# Altium PCB AVALON_hashunit.PcbDoc (part 1 of 5) (continued)
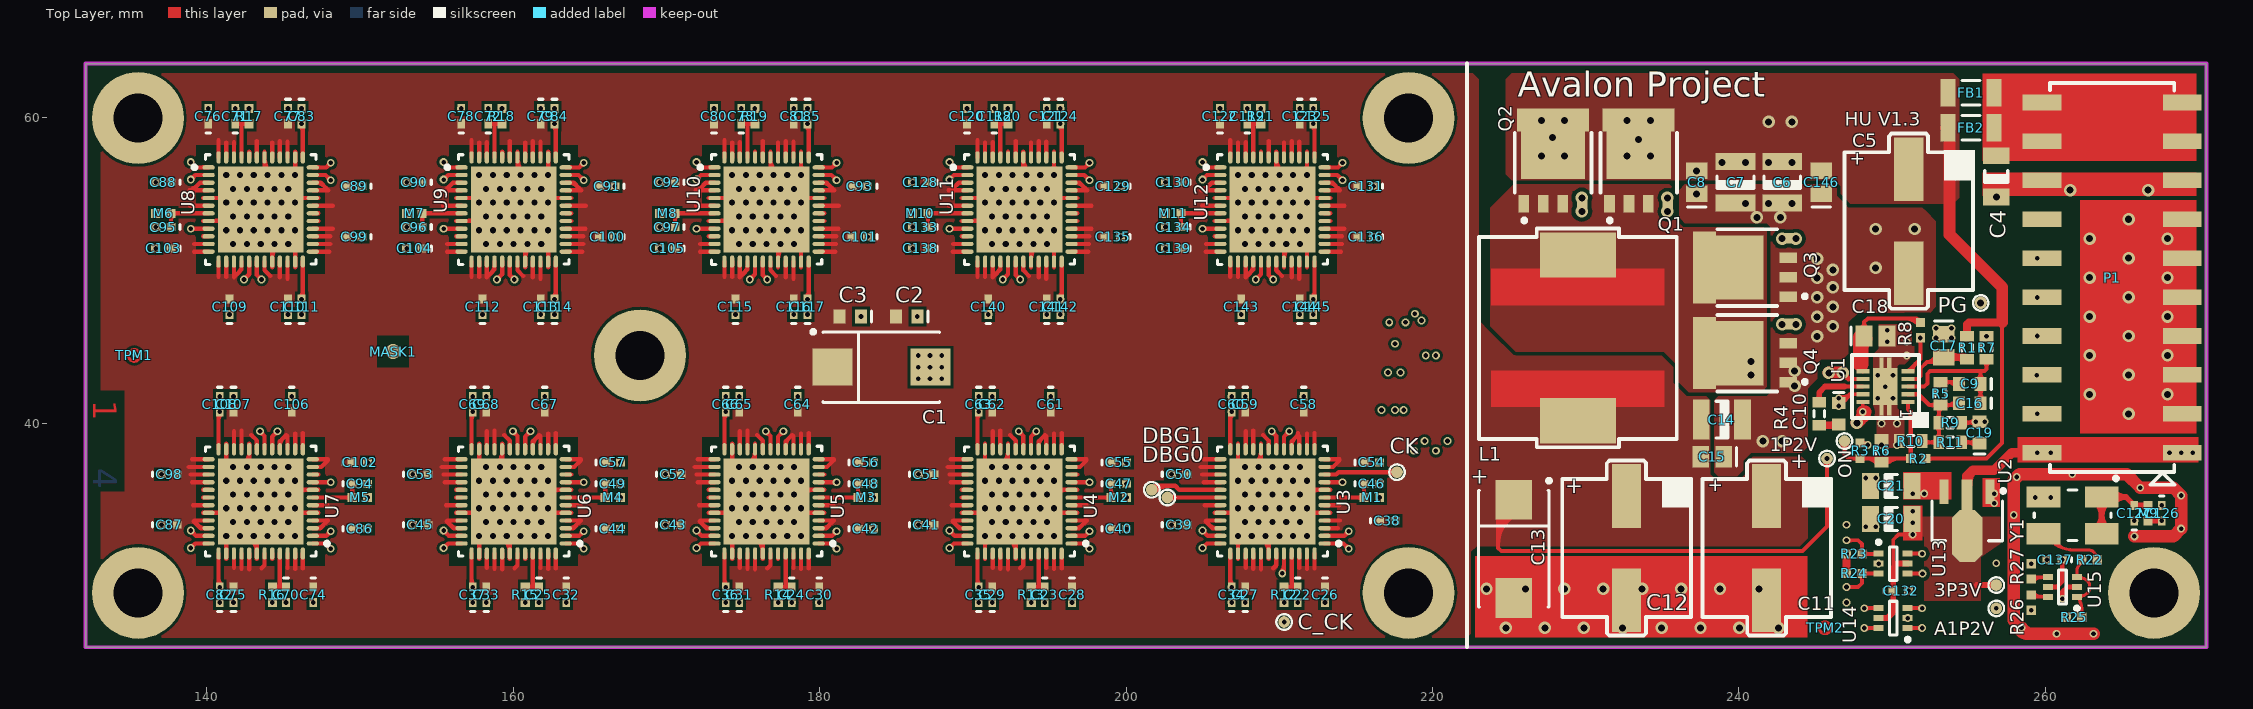
[diagram p0: Top Layer view]
## Components (designator, comment, footprint, x,y, rotation, side; value= is the part's Value field where it differs from the comment) (continued)
C139 "0.47uF" CAPC1005L 203.073,51.435 r180 top
C140 "0.47uF" CAPC1005L 191.008,47.625 r90 top
C141 "0.47uF" CAPC1005L 194.818,47.625 r90 top
C142 "0.47uF" CAPC1005L 195.707,47.625 r90 top
C143 "0.47uF" CAPC1005L 207.518,47.625 r90 top
C144 "0.47uF" CAPC1005L 211.328,47.625 r90 top
C145 "0.47uF" CAPC1005L 212.217,47.625 r90 top
C146 "4.7uF/16V" CAPC2012L 245.364,55.753 r90 top
C_CK "TP" TP 210.312,27.051 r90 top
CK "TP" TP 217.678,36.83 r0 top
DBG0 "TP" TP 202.692,35.179 r0 top
DBG1 "TP" TP 201.676,35.687 r90 top
FB1 "MB" INDC3216L 255.143,61.595 r0 top
FB2 "MB" INDC3216L 255.143,59.309 r0 top
L1 "IHLP5050FDER" IHLP5050 229.489,45.593 r270 top
M1 "MB" RESC1005L 216.027,35.179 r0 top
M2 "MB" RESC1005L 199.517,35.179 r0 top
M3 "MB" RESC1005L 183.007,35.179 r0 top
M4 "MB" RESC1005L 166.497,35.179 r0 top
M5 "MB" RESC1005L 149.987,35.179 r0 top
M6 "MB" RESC1005L 137.156,53.721 r180 top
M7 "MB" RESC1005L 153.543,53.721 r180 top
M8 "MB" RESC1005L 170.053,53.721 r180 top
M9 "MB" RESC1005L 266.7,34.163 r270 top
M10 "MB" RESC1005L 186.563,53.721 r180 top
M11 "MB" RESC1005L 203.073,53.721 r180 top
MASK1 "Socket" MASK_LT 152.146,44.704 r90 top
ON "TP" TP 246.888,38.862 r90 top
P1 "Header 10X2" 20PINSMT 264.36,49.53 r90 top locked
PG "TP" TP 255.778,47.879 r0 top
Q1 "PSMN2R2-25YLC" LFPAK 233.426,57.15 r90 top
Q2 "NC" LFPAK 227.838,57.15 r90 top
Q3 "CSD16403Q5A" LFPAK 240.411,50.165 r180 top
Q4 "CSD16403Q5A" LFPAK 240.411,44.577 r180 top
R1 "0R" RESC1608L 254.889,44.958 r90 top
R2 "NC" RESC1005L 251.714,37.719 r0 top
R3 "1K" RESC1005L 247.904,38.227 r90 top
R4 "0R" RESC1608L 245.237,40.64 r90 top
R5 "6.81K" RESC1608L 253.16,41.959 r90 top
R6 "10K" RESC1608L 249.301,38.227 r270 top
R7 "3.9K" RESC1608L 256.159,44.958 r270 top
R8 "100K" RESC1005L 251.841,46.101 r90 top
R9 "10K" RESC1608L 253.795,40.054 r180 top
R10 "10.5K" RESC1608L 251.206,38.862 r0 top
R11 "909R" RESC1608L 253.795,38.784 r180 top
R12 "100K" RESC1005L 210.312,28.829 r270 top
R13 "100K" RESC1005L 193.802,28.829 r270 top
R14 "100K" RESC1005L 177.292,28.829 r270 top
R15 "100K" RESC1005L 160.782,28.829 r270 top
R16 "100K" RESC1005L 144.272,28.829 r270 top
R17 "100K" RESC1005L 142.748,60.071 r90 top
R18 "100K" RESC1005L 159.258,60.071 r90 top
R19 "100K" RESC1005L 175.768,60.071 r90 top
R20 "100K" RESC1005L 192.278,60.071 r90 top
R21 "100K" RESC1005L 208.788,60.071 r90 top
R22 "0R" RESC1005L 262.89,31.115 r0 top
R23 "470R" RESC1005L 247.523,31.496 r180 top
R24 "470R" RESC1005L 247.523,30.226 r180 top
R25 "NC" RESC1005L 261.874,27.356 r180 top
R26 "0R" RESC1005L 259.08,28.321 r90 top
R27 "0R" RESC1005L 259.08,30.353 r270 top
TPM1 "MASKTEST" MASKTEST 135.255,44.45 r90 top
TPM2 "MASKTEST" MASKTEST 245.618,26.67 r90 top
U1 "TPS40193" SON10 249.555,42.418 r180 top locked
U2 "RT9166A_CXL" SOT-89_M 254.889,33.655 r270 top
U3 "Avalon1" QFN48NT7A 209.55,34.925 r180 top
U4 "Avalon1" QFN48NT7A 193.04,34.925 r180 top
U5 "Avalon1" QFN48NT7A 176.53,34.925 r180 top
U6 "Avalon1" QFN48NT7A 160.02,34.925 r180 top
U7 "Avalon1" QFN48NT7A 143.51,34.925 r180 top
U8 "Avalon1" QFN48NT7A 143.51,53.975 r0 top
U9 "Avalon1" QFN48NT7A 160.02,53.975 r0 top
U10 "Avalon1" QFN48NT7A 176.53,53.975 r0 top
U11 "Avalon1" QFN48NT7A 193.04,53.975 r0 top
U12 "Avalon1" QFN48NT7A 209.55,53.975 r0 top
U13 "74LVC2G34" SOT363_L 250.063,30.861 r0 top
U14 "74LVC2G34" SOT363_L 250.063,27.305 r180 top
U15 "74LVC2G34" SOT363_L 261.112,29.337 r180 top
Y1 "XTAL_32M" SMX2 261.747,34.036 r180 top

## Footprints (in the part's own frame and the unit in brackets; to place one, negate y for a bottom-side part, rotate by r counter-clockwise, add the part's x,y. Pads: shape width x height; smd on the part's side, far side on the other; paste and mask are expansions set on the pad)
20PINSMT [mm]
  rect 1.02x2.534 smd: 1(-11.43,-4.573) 2(-11.43,4.573) 3(-8.89,-4.573) 4(-8.89,4.573) 5(-6.35,-4.573) 6(-6.35,4.573) 7(-3.81,-4.573) 8(-3.81,4.573) 9(-1.27,-4.573) 10(-1.27,4.573) 11(1.27,-4.573) 12(1.27,4.573) 13(3.81,-4.573) 14(3.81,4.573) 15(6.35,-4.573) 16(6.35,4.573) 17(8.89,-4.573) 18(8.89,4.573) 19(11.43,-4.573) 20(11.43,4.573)
  silkscreen extent -13.52,-4.08 12.7,4.05, body extent -12.55,-3.89 12.52,3.91, height 6.1
CAPC1005L [mm] "Chip Capacitor, Body 1.0x0.5mm, IPC High Density"
  rect 0.6x0.5 smd: 1(-0.5,0) 2(0.5,0)
  silkscreen extent -1.1,-0.15 -1.1,0.15, body extent -0.55,-0.3 0.55,0.3, height 0.6
CAPC1608L [mm] "Chip Capacitor, Body 1.6x0.8mm, IPC High Density"
  rect 0.8x0.9 smd: 1(-0.7,0) 2(0.7,0)
  silkscreen extent -1.4,-0.35 -1.4,0.35, body extent -0.87,-0.48 0.87,0.48, height 0.85
CAPC2012L [mm] "Chip Capacitor, Body 2.0x1.3mm, IPC High Density"
  rect 1.1x1.4 smd: 1(-0.75,0) 2(0.75,0)
  silkscreen extent -1.6,-0.6 -1.6,0.6, body extent -1.1,-0.72 1.1,0.72, height 1.1
CAPC3216L [mm] "Chip Capacitor, Body 3.2x1.6mm, IPC High Density"
  rect 1.1x1.7 smd: 1(-1.35,0) 2(1.35,0)
  silkscreen extent -0.4,-0.75 0.4,0.75, body extent -1.7,-0.9 1.7,0.9, height 1.35
CAPC3225L [mm] "Chip Capacitor, Body 3.2x2.5mm, IPC High Density"
  rect 1.1x2.6 smd: 1(-1.35,0) 2(1.35,0)
  silkscreen extent -0.4,-1.2 0.4,1.2, body extent -1.7,-1.35 1.7,1.35, height 1.35
D [mm] "Capacitor, SM Tantalum; Body 7.3 x 4.3 mm (LxW typ)"
  rect 2.6x2.4 smd: 1(-3.2,0) 2(3.2,0)
  silkscreen extent -4.57,-2.3 3.8,2.42
E12 [mm] "SVPC"
  rect 1.9x4.15 smd: 1(0,-3.4) 2(0,3.4)
  silkscreen extent -4.31,-5.71 4.2,5.71, body extent -3.98,-3.99 4,3.99, height 12.8
IHLP5050 [mm]
  rect 2.945x4.95 smd: 1(-5.407,0) 2(5.407,0)
  Top Layer region: -4.521,-5.664 -2.134,-5.664 -2.134,5.664 -4.521,5.664
  Top Layer region: 2.134,-5.664 4.521,-5.664 4.521,5.664 2.134,5.664
  silkscreen extent -7.14,-6.45 7.14,6.45, body extent -6.6,-6.45 6.6,6.45, height 6.5
INDC3216L [mm] "Chip Inductor, Body 3.2x1.6mm, IPC High Density"
  rect 1x1.8 smd: 1(-1.5,0) 2(1.5,0)
  silkscreen extent -0.6,-0.8 0.6,0.8, body extent -1.75,-0.95 1.75,0.95, height 1.9
LFPAK [mm]
  rect 1.15x0.7 smd: 1(-2.801,1.88) 2(-2.801,0.61) 3(-2.801,-0.66) 4(-2.801,-1.93)
  rect 3.1x4.2 smd: 5(0.374,-0.025)
  rect 1.5x4.7 smd: 5(2.674,-0.025)
  silkscreen extent -4.01,-2.53 1.82,2.47, body extent -3.38,-2.53 3.43,2.47, height 0.8
MASK_LT [mm]
  round 1 smd: 0(0,0)
  Top Layer pour cut-out: -1.016,1.016 1.016,1.016 1.016,-1.016 -1.016,-1.016
MASKTEST [mil]
  round 10 smd paste+0 mask+3: 0(0,0)
  Top Layer circle w8: c0,0 r15
QFN48NT7A [mm] "QFN, 48-Leads, Body 7x7mm, Pitch 0.5mm, IPC Medium Density"
  oval 0.8x0.28 smd paste+0.051 mask+0.075: 1(-3.399,2.75) 2(-3.399,2.25) 3(-3.399,1.75) 4(-3.399,1.25) 5(-3.399,0.75) 6(-3.399,0.25) 7(-3.399,-0.25) 8(-3.399,-0.75) 9(-3.399,-1.25) 10(-3.399,-1.75) 11(-3.399,-2.25) 12(-3.399,-2.75) 25(3.399,-2.75) 26(3.399,-2.25) 27(3.399,-1.75) 28(3.399,-1.25) 29(3.399,-0.75) 30(3.399,-0.25) 31(3.399,0.25) 32(3.399,0.75) 33(3.399,1.25) 34(3.399,1.75) 35(3.399,2.25) 36(3.399,2.75)
  oval 0.28x0.8 smd paste+0.051 mask+0.075: 13(-2.75,-3.399) 14(-2.25,-3.399) 15(-1.75,-3.399) 16(-1.25,-3.399) 17(-0.75,-3.399) 18(-0.25,-3.399) 19(0.25,-3.399) 20(0.75,-3.399) 21(1.25,-3.399) 22(1.75,-3.399) 23(2.25,-3.399) 24(2.75,-3.399) 37(2.75,3.399) 38(2.25,3.399) 39(1.75,3.399) 40(1.25,3.399) 41(0.75,3.399) 42(0.25,3.399) 43(-0.25,3.399) 44(-0.75,3.399) 45(-1.25,3.399) 46(-1.75,3.399) 47(-2.25,3.399) 48(-2.75,3.399)
  rect 5.6x5.6 smd paste-0.7 mask-0.4: 49(0,0)
  Top Layer lines w0.28: 3.766,2.75 3.399,2.75 ; 3.766,2.25 3.399,2.25 ; 3.766,1.75 3.399,1.75 ; 3.766,1.25 3.399,1.25 ; 3.766,0.75 3.399,0.75 ; 3.766,0.25 3.399,0.25 ; 3.766,-0.25 3.399,-0.25 ; 3.766,-0.75 3.399,-0.75 ; 3.766,-1.25 3.399,-1.25 ; 3.766,-1.75 3.399,-1.75 ; 3.766,-2.25 3.399,-2.25 ; 3.766,-2.75 3.399,-2.75 ; 2.75,3.766 2.75,3.399 ; 2.75,-3.399 2.75,-3.766 ; 2.25,3.766 2.25,3.399 ; 2.25,-3.399 2.25,-3.766 ; 1.75,3.766 1.75,3.399 ; 1.75,-3.399 1.75,-3.766 ; 1.25,3.766 1.25,3.399 ; 1.25,-3.399 1.25,-3.766 ; 0.75,3.766 0.75,3.399 ; 0.75,-3.399 0.75,-3.766 ; 0.25,3.766 0.25,3.399 ; 0.25,-3.399 0.25,-3.766 ; -0.25,3.766 -0.25,3.399 ; -0.25,-3.399 -0.25,-3.766 ; -0.75,3.766 -0.75,3.399 ; -0.75,-3.399 -0.75,-3.766 ; -1.25,3.766 -1.25,3.399 ; -1.25,-3.399 -1.25,-3.766 ; -1.75,3.766 -1.75,3.399 ; -1.75,-3.399 -1.75,-3.766 ; -2.25,3.766 -2.25,3.399 ; -2.25,-3.399 -2.25,-3.766 ; -2.75,3.766 -2.75,3.399 ; -2.75,-3.399 -2.75,-3.766 ; -3.399,2.75 -3.766,2.75 ; -3.399,2.25 -3.766,2.25 ; -3.399,1.75 -3.766,1.75 ; -3.399,1.25 -3.766,1.25 ; -3.399,0.75 -3.766,0.75 ; -3.399,0.25 -3.766,0.25 ; -3.399,-0.25 -3.766,-0.25 ; -3.399,-0.75 -3.766,-0.75 ; -3.399,-1.25 -3.766,-1.25 ; -3.399,-1.75 -3.766,-1.75 ; -3.399,-2.25 -3.766,-2.25 ; -3.399,-2.75 -3.766,-2.75
  silkscreen extent -4.45,-3.6 3.6,3.58
RESC1005L [mm] "Chip Resistor, Body 1.1x0.5mm, IPC High Density"
  rect 0.6x0.6 smd: 1(-0.5,0) 2(0.5,0)
  body extent -0.55,-0.3 0.55,0.3, height 0.4
RESC1608L [mm] "Chip Resistor, Body 1.6x0.8mm, IPC High Density"
  rect 0.7x0.9 smd: 1(-0.75,0) 2(0.75,0)
  silkscreen extent -0.2,-0.35 0.2,0.35, body extent -0.85,-0.48 0.85,0.48, height 0.6
SMX2 [mm]
  rect 2.2x1.4 smd: 1(-1.925,-1.175) 2(1.875,-1.175) 3(1.875,1.225) 4(-1.925,1.225)
  silkscreen extent -2.99,-2.51 2.47,1.68, body extent -2.87,-1.73 2.82,1.78, height 1
SON10 [mm]
  rect 0.85x0.28 smd paste+0.07 mask+0.07: 1(-1.475,1) 2(-1.475,0.5) 3(-1.475,0) 4(-1.475,-0.5) 5(-1.475,-1) 6(1.475,-1) 7(1.475,-0.5) 8(1.475,0) 9(1.475,0.5) 10(1.475,1)
  rect 0.28x0.7 smd paste+0 mask+0: 11(-0.25,1.549) 11(-0.25,-1.549) 11(0.25,1.549) 11(0.25,-1.549)
  rect 1.6x2.4 smd paste+0 mask+0: 11(0,0)
  silkscreen extent -2.84,-2.06 2.18,2.69, body extent -1.97,-1.9 1.97,1.9, height 0.8
SOT363_L [mm] "SOT363, 6-Leads, Body 2x1.3mm, Pitch 0.65mm, Lead Span 2.1mm, IPC High Density"
  rect 0.65x0.4 smd: 1(-0.95,0.65) 2(-0.95,0) 3(-0.95,-0.65) 4(0.95,-0.65) 5(0.95,0) 6(0.95,0.65)
  silkscreen extent -1.07,-1.1 0.25,1.52, body extent -0.7,-1.1 0.7,1.1, height 1.1
SOT-89_M [mm] "SOT89, 3-Leads, Body 4.6x2.6 mm, Pitch 1.5mm, Lead Span 4.1mm, IPC Low Density"
  rect 1.6x0.6 smd: 1(-1.9,1.5) 3(-1.9,-1.5)
  rect 2x0.7 smd: 2(-1.7,0)
  oct 3.4x2 smd: 2(1,0)
  silkscreen extent -2.07,-2.3 1.3,2.48, body extent -1.3,-2.3 1.3,2.3, height 1.7
TP [mil]
  round 30 smd paste+0 mask+4: 1(0,0)
  silkscreen extent -20,-20 20,20, body extent -20,-20 20,20

## Part data
C1 C13: library part "Cap Pol3", "Polarized Capacitor (Surface Mount)"
C2 C3 C4 C6 C7 C8 C9 C10 C14 C15 C16 C17 C18 C19 C20 C21 C22 C23 C24 C25 C26 C27 C28 C29 C30 C31 C32 C33 C34 C35 C36 C37 C38 C39 C40 C41 C42 C43 C44 C45 C46 C47 C48 C49 C50 C51 C52 C53 C54 C55 C56 C57 C58 C59 C60 C61 C62 C63 C64 C65 C66 C67 C68 C69 C70 C71 C72 C73 C74 C75 C76 C77 C78 C79 C80 C81 C82 C83 C84 C85 C86 C87 C88 C89 C90 C91 C92 C93 C94 C95 C96 C97 C98 C99 C100 C101 C102 C103 C104 C105 C106 C107 C108 C109 C110 C111 C112 C113 C114 C115 C116 C117 C118 C119 C120 C121 C122 C123 C124 C125 C126 C127 C128 C129 C130 C131 C132 C133 C134 C135 C136 C137 C138 C139 C140 C141 C142 C143 C144 C145 C146: library part "Cap Semi", "Capacitor (Semiconductor SIM Model)"
C5 C11 C12: library part "Cap Pol1", "Polarized Capacitor (Radial)"
FB1 FB2 R1 R2 R3 R4 R5 R6 R7 R8 R9 R10 R11 R12 R13 R14 R15 R16 R17 R18 R19 R20 R21 R22 R23 R24 R25 R26 R27: library part Res3, "Resistor"
L1: library part Inductor, "Inductor"
M1 M2 M3 M4 M5 M6 M7 M8 M9 M10 M11: library part Res3
P1: "Header, 10-Pin, Dual row"
Q1 Q2 Q3 Q4: library part HAT216X
Y1: library part 2SMX, "Surface Mount Quartz Crystal"

## Free pads (board coordinates)
  round 6 hole 3.2: 0(135.509,28.956) 0(135.509,59.944) 0(168.275,44.45) 0(218.44,28.956) 0(218.44,59.944) 0(267.081,28.956)

## Via types
v1: diameter 0.8, hole 0.4, Top Layer to Bottom Layer, tented both sides, 330 vias
v2: diameter 0.508, hole 0.305, Top Layer to Bottom Layer, tented both sides, 258 vias
v3: diameter 0.813, hole 0.457, Top Layer to Bottom Layer, tented both sides, 88 vias
v4: diameter 0.508, hole 0.305, Top Layer to Bottom Layer, tented bottom, 80 vias
v5: diameter 0.6, hole 0.3, Top Layer to Bottom Layer, tented bottom, 5 vias

## Nets (pads, with @x,y where several pads share a name; then routed paths per layer and width w, separated by ;. In a path a pad name is that pad's centre, name@x,y a point inside that pad or via, vN(x,y) a via of type N, cw(c..) or ccw(c..) an arc to the next point about the centre after c; other vN are vias at no path point)
1V2_PG: PG.1 R8.1 U1.5 | length 11.4
  Top Layer w0.254: U1.5@251.03,43.418 251.841,44.229 R8.1@251.841,45.466 ; U1.5@251.074,43.418 cw(c251.18,43.418) U1.5@251.105,43.493 ; U1.5@251.328,43.418 cw(c252.047,43.418) 251.539,43.927 ; R8.1@251.719,45.479 cw(c251.423,45.183) 251.841,45.183 cw(c252.259,45.183) R8.1@251.963,45.479 ; R8.1@251.751,45.503 cw(c251.534,45.286) 251.841,45.286 cw(c252.148,45.286) R8.1@251.931,45.503
  Mid-Layer 2 w0.254: v2@251.751,45.683 ccw(c251.534,45.9) 251.841,45.9 ccw(c252.148,45.9) v2@251.931,45.683 ; v2(251.841,45.593) 251.841,46.99 252.73,47.879 v3(255.778,47.879) ; v3@255.58,47.681 ccw(c255.103,47.204) 255.103,47.879 ccw(c255.103,48.554) v3@255.58,48.077
AVCC1V2: A1P2V.1 C21.2 M1.2 M2.2 M3.2 M4.2 M5.2 M6.2 M7.2 M8.2 M10.2 M11.2 U2.3 | length 296.5
  Mid-Layer 1 w0.254: v2@252.095,35.306 cw(c252.095,34.631) 252.572,35.108 ; v2(252.095,35.433) 252.247,35.433 v2(256.794,30.886) ; v2@256.667,30.886 ccw(c256.36,30.886) 256.577,31.103 ccw(c256.794,31.32) v2@256.794,31.013
  Mid-Layer 1 w0.508: 218.583,47.431 v2(219.278,46.736) 220.218,45.796 v2(220.218,44.45) v2(219.558,44.45) ; v2(218.846,47.168) ccw(c218.573,47.148) 218.573,47.422 216.586,47.422 215.773,46.609 215.773,40.634 216.402,40.005 217.221,40.005 ; 217.221,40.005 ccw(c216.416,40.81) v2(217.551,40.894) v2(218.11,40.894) 217.221,40.005
  Mid-Layer 2 w0.254: v2@256.704,28.03 ccw(c256.487,28.247) 256.794,28.247 ccw(c257.101,28.247) v2@256.884,28.03 ; v2@256.704,30.797 cw(c256.487,30.58) 256.794,30.58 cw(c257.101,30.58) v2@256.884,30.797 ; v2(256.794,27.94) v2(256.794,30.886)
  Mid-Layer 2 w0.508: 137.194,53.944 cw(c136.656,54.481) v2(136.656,53.721) 136.971,53.721 137.477,54.227 137.477,56.759 138.758,58.039 156.591,58.039 ; v2(150.487,35.179) 155.194,35.179 156.337,34.036 156.337,31.623 156.943,31.017 172.974,31.017 ; v2(153.043,53.721) 155.448,53.721 156.591,54.864 156.591,58.039 ; v2(166.997,35.179) 171.45,35.179 172.974,33.655 172.974,31.017 ; v2(169.553,53.721) 171.704,53.721 173.101,55.118 173.101,58.039 ; v2(183.507,35.179) 188.341,35.179 189.56,33.96 189.56,31.017 172.974,31.017 ; v2(186.063,53.721) 188.214,53.721 189.56,55.067 189.56,58.039 173.101,58.039 ; 189.738,31.017 205.994,31.017 ; 189.738,58.039 206.121,58.039 ; v2(200.017,35.179) 204.851,35.179 205.994,34.036 205.994,31.017 ; v2(202.573,53.721) 204.724,53.721 206.121,55.118 206.121,58.039 ; v2(216.535,35.179) 215.594,35.179 214.935,35.838 ; 217.156,39.94 ccw(c216.202,40.894) v2(217.551,40.894) v2(218.11,40.894) 214.935,37.719 214.935,35.838 ; v2(219.278,46.736) 213.208,52.807 213.208,57.175 212.344,58.039 206.121,58.039 ; v2(219.558,44.45) v2(220.218,44.45) ; 156.591,58.039 173.101,58.039 ; 205.994,31.017 209.827,31.017 210.128,31.318 212.369,31.318 212.979,31.928 212.979,33.883 214.935,35.838
  Mid-Layer 2 w0.762: v2(220.218,44.45) 226.441,38.227 240.157,38.227 240.665,37.719 243.84,37.719 246.069,35.49 v2@251.968,35.49
  other v2: 251.333,35.433
C_CLK_OUT: C_CK.1 U3.44 | length 6.4
  Top Layer w0.279: v2@210.104,30.307 ccw(c209.631,30.78) 210.3,30.78 ; v2(210.185,30.226) 210.3,30.341 U3.44@210.3,31.4
  Mid-Layer 1 w0.279: v2@210.071,30.226 cw(c209.795,30.226) 209.99,30.031 cw(c210.185,29.836) v2@210.185,30.112 ; v2(210.185,30.226) 209.474,29.515 209.474,27.889 v2(210.312,27.051) ; v2@210.198,27.051 ccw(c209.922,27.051) 210.117,27.246 ccw(c210.312,27.441) v2@210.312,27.165
CLK: R22.1 R25.1 U15.1 U15.3 | length 7.6
  Top Layer w0.203: U15.3@261.992,30.057 ccw(c261.824,30.225) 262.062,30.225 ccw(c262.3,30.225) U15.3@262.132,30.057 ; U15.3@262.062,29.987 262.062,30.323 cw(c263.182,30.323) R22.1@262.39,31.115 ; U15.3@262.114,29.987 cw(c262.114,29.069) 262.763,29.718 cw(c262.456,29.411) 262.89,29.411 262.89,29.263 cw(c262.456,29.263) 262.763,28.956 cw(c262.114,29.605) 262.114,28.687 U15.1@262.062,28.687 cw(c261.309,27.934) 262.374,27.934 R25.1@262.374,27.432 ; R22.1@262.198,31.064 cw(c261.736,30.94) 262.151,30.7 cw(c262.565,30.461) R22.1@262.441,30.923 ; R25.1@262.234,27.496 ccw(c261.895,27.835) 262.374,27.835 ccw(c262.853,27.835) R25.1@262.514,27.496 ; U15.1@262.272,28.638 cw(c262.534,28.487) 262.456,28.779 ; U15.3@262.272,30.036 ccw(c262.534,30.187) 262.456,29.895 ; U15.1@262.278,28.651 ccw(c262.692,28.486) 262.306,28.264
CLK_OUT: CK.1 U3.10 | length 5.6
  Top Layer w0.279: U3.10@213.075,36.675 213.713,36.675 213.868,36.83 CK.1@217.678,36.83 ; CK.1@217.507,36.659 ccw(c217.095,36.247) 217.095,36.83 ccw(c217.095,37.413) CK.1@217.507,37.001
CONFIG_N: U3.2 U14.4 | length 40.7
  Top Layer w0.254: v4(248.173,27.955) U14.4@249.113,27.955 ; v4@248.263,27.865 cw(c248.48,27.648) 248.48,27.955 cw(c248.48,28.262) v4@248.263,28.045
  Top Layer w0.279: U3.2@213.055,32.675 214.23,32.675 v4(214.528,32.973) ; v4@214.414,32.973 cw(c214.138,32.973) 214.333,32.778 cw(c214.528,32.583) v4@214.528,32.859
  Mid-Layer 2 w0.254: v4(214.528,32.973) 214.532,32.969 241.224,32.969 246.888,27.305 247.523,27.305 v4(248.173,27.955) ; v4@214.618,32.883 cw(c214.826,32.676) 214.826,32.969 ; v4@214.618,33.063 ccw(c214.844,33.289) 214.844,32.969 ; v4@248.046,27.955 cw(c247.739,27.955) 247.956,27.738 cw(c248.173,27.521) v4@248.173,27.828
CONFIG_NO1: U3.35 U4.2 | length 12
  Top Layer w0.279: U4.2@196.565,32.675 197.314,32.675 v4(197.612,32.973) ; v4@197.498,32.973 cw(c197.222,32.973) 197.417,32.778 cw(c197.612,32.583) v4@197.612,32.859 ; v4@204.978,32.906 cw(c204.978,32.63) 205.173,32.825 cw(c205.368,33.02) v4@205.092,33.02 ; v4(204.978,33.02) 205.323,32.675 U3.35@206.025,32.675
  Mid-Layer 2 w0.254: v4@197.612,32.846 cw(c197.612,32.539) 197.829,32.756 cw(c198.046,32.973) v4@197.739,32.973 ; v4(197.612,32.973) 198.136,32.449 204.407,32.449 v4(204.978,33.02) ; v4@204.851,33.02 cw(c204.544,33.02) 204.761,32.803 cw(c204.978,32.586) v4@204.978,32.893
CONFIG_NO2: U4.35 U5.2 | length 12
  Top Layer w0.279: U5.2@180.055,32.675 180.804,32.675 v4(181.102,32.973) ; v4@180.988,32.973 cw(c180.712,32.973) 180.907,32.778 cw(c181.102,32.583) v4@181.102,32.859 ; v4@188.468,32.906 cw(c188.468,32.63) 188.663,32.825 cw(c188.858,33.02) v4@188.582,33.02 ; v4(188.468,33.02) 188.813,32.675 U4.35@189.515,32.675
  Mid-Layer 2 w0.254: v4@181.102,32.846 cw(c181.102,32.539) 181.319,32.756 cw(c181.536,32.973) v4@181.229,32.973 ; v4(181.102,32.973) 181.626,32.449 187.897,32.449 v4(188.468,33.02) ; v4@188.341,33.02 cw(c188.034,33.02) 188.251,32.803 cw(c188.468,32.586) v4@188.468,32.893
CONFIG_NO3: U5.35 U6.2 | length 12
  Top Layer w0.279: U6.2@163.545,32.675 164.294,32.675 v4(164.592,32.973) ; v4@164.478,32.973 cw(c164.202,32.973) 164.397,32.778 cw(c164.592,32.583) v4@164.592,32.859 ; v4@171.958,32.906 cw(c171.958,32.63) 172.153,32.825 cw(c172.348,33.02) v4@172.072,33.02 ; v4(171.958,33.02) 172.303,32.675 U5.35@173.005,32.675
  Mid-Layer 2 w0.254: v4@164.592,32.846 cw(c164.592,32.539) 164.809,32.756 cw(c165.026,32.973) v4@164.719,32.973 ; v4(164.592,32.973) 165.116,32.449 171.387,32.449 v4(171.958,33.02) ; v4@171.831,33.02 cw(c171.524,33.02) 171.741,32.803 cw(c171.958,32.586) v4@171.958,32.893
CONFIG_NO4: U6.35 U7.2 | length 12
  Top Layer w0.279: U7.2@147.035,32.675 147.784,32.675 v4(148.082,32.973) ; v4@147.968,32.973 cw(c147.692,32.973) 147.887,32.778 cw(c148.082,32.583) v4@148.082,32.859 ; v4@155.448,32.906 cw(c155.448,32.63) 155.643,32.825 cw(c155.838,33.02) v4@155.562,33.02 ; v4(155.448,33.02) 155.793,32.675 U6.35@156.495,32.675
  Mid-Layer 2 w0.254: v4@148.082,32.846 cw(c148.082,32.539) 148.299,32.756 cw(c148.516,32.973) v4@148.209,32.973 ; v4(148.082,32.973) 148.606,32.449 154.877,32.449 v4(155.448,33.02) ; v4@155.321,33.02 cw(c155.014,33.02) 155.231,32.803 cw(c155.448,32.586) v4@155.448,32.893
CONFIG_NO5: U7.35 U8.2 | length 27.7
  Top Layer w0.279: v4@138.938,32.906 cw(c138.938,32.63) 139.133,32.825 cw(c139.328,33.02) v4@139.052,33.02 ; v4(138.938,33.02) 139.283,32.675 U7.35@139.985,32.675 ; v4(138.938,55.927) 139.236,56.225 U8.2@139.985,56.225 ; v4@138.938,56.041 ccw(c138.938,56.317) 139.133,56.122 ccw(c139.328,55.927) v4@139.052,55.927
  Mid-Layer 2 w0.254: v4@138.848,33.11 ccw(c138.631,33.327) 138.938,33.327 ccw(c139.245,33.327) v4@139.028,33.11 ; v4@138.848,55.837 cw(c138.631,55.62) 138.938,55.62 cw(c139.245,55.62) v4@139.028,55.837 ; v4(138.938,33.02) 138.938,38.238 138.176,39 138.176,52.959 138.938,53.721 v4(138.938,55.927)
CONFIG_NO6: U8.35 U9.2 | length 12
  Top Layer w0.279: U8.35@147.035,56.225 147.737,56.225 v4(148.082,55.88) ; v4@147.968,55.88 ccw(c147.692,55.88) 147.887,56.075 ccw(c148.082,56.27) v4@148.082,55.994 ; v4(155.448,55.927) 155.746,56.225 U9.2@156.495,56.225 ; v4@155.448,56.041 ccw(c155.448,56.317) 155.643,56.122 ccw(c155.838,55.927) v4@155.562,55.927
  Mid-Layer 2 w0.254: v4(148.082,55.88) 148.641,56.439 154.936,56.439 v4(155.448,55.927) ; v4@148.082,56.007 ccw(c148.082,56.314) 148.299,56.097 ccw(c148.516,55.88) v4@148.209,55.88 ; v4@155.321,55.927 ccw(c155.014,55.927) 155.231,56.144 ccw(c155.448,56.361) v4@155.448,56.054
CONFIG_NO7: U9.35 U10.2 | length 12
  Top Layer w0.279: U9.35@163.545,56.225 164.247,56.225 v4(164.592,55.88) ; v4@164.478,55.88 ccw(c164.202,55.88) 164.397,56.075 ccw(c164.592,56.27) v4@164.592,55.994 ; v4(171.958,55.927) 172.256,56.225 U10.2@173.005,56.225 ; v4@171.958,56.041 ccw(c171.958,56.317) 172.153,56.122 ccw(c172.348,55.927) v4@172.072,55.927
  Mid-Layer 2 w0.254: v4(164.592,55.88) 165.176,56.464 171.421,56.464 v4(171.958,55.927) ; v4@164.592,56.007 ccw(c164.592,56.314) 164.809,56.097 ccw(c165.026,55.88) v4@164.719,55.88 ; v4@171.831,55.927 ccw(c171.524,55.927) 171.741,56.144 ccw(c171.958,56.361) v4@171.958,56.054
CONFIG_NO8: U10.35 U11.2 | length 12
  Top Layer w0.279: U10.35@180.055,56.225 180.757,56.225 v4(181.102,55.88) ; v4@180.988,55.88 ccw(c180.712,55.88) 180.907,56.075 ccw(c181.102,56.27) v4@181.102,55.994 ; v4(188.468,55.927) 188.766,56.225 U11.2@189.515,56.225 ; v4@188.468,56.041 ccw(c188.468,56.317) 188.663,56.122 ccw(c188.858,55.927) v4@188.582,55.927
  Mid-Layer 2 w0.254: v4(181.102,55.88) 181.686,56.464 187.931,56.464 v4(188.468,55.927) ; v4@181.102,56.007 ccw(c181.102,56.314) 181.319,56.097 ccw(c181.536,55.88) v4@181.229,55.88 ; v4@188.341,55.927 ccw(c188.034,55.927) 188.251,56.144 ccw(c188.468,56.361) v4@188.468,56.054
CONFIG_NO9: U11.35 U12.2 | length 12
  Top Layer w0.279: U11.35@196.565,56.225 197.267,56.225 v4(197.612,55.88) ; v4@197.498,55.88 ccw(c197.222,55.88) 197.417,56.075 ccw(c197.612,56.27) v4@197.612,55.994 ; v4(204.978,55.927) 205.276,56.225 U12.2@206.025,56.225 ; v4@204.978,56.041 ccw(c204.978,56.317) 205.173,56.122 ccw(c205.368,55.927) v4@205.092,55.927
  Mid-Layer 2 w0.254: v4(197.612,55.88) 198.196,56.464 204.441,56.464 v4(204.978,55.927) ; v4@197.612,56.007 ccw(c197.612,56.314) 197.829,56.097 ccw(c198.046,55.88) v4@197.739,55.88 ; v4@204.851,55.927 ccw(c204.544,55.927) 204.761,56.144 ccw(c204.978,56.361) v4@204.978,56.054
CONFIG_NO10: U12.35 | length 1.6
  Top Layer w0.279: U12.35@213.075,56.225 213.777,56.225 v4(214.122,55.88) ; v4@214.008,55.88 ccw(c213.732,55.88) 213.927,56.075 ccw(c214.122,56.27) v4@214.122,55.994
CONFIG_P: U3.1 U14.6 | length 40.7
  Top Layer w0.254: v4(248.173,26.655) U14.6@249.113,26.655 ; v4@248.263,26.565 cw(c248.48,26.348) 248.48,26.655 cw(c248.48,26.962) v4@248.263,26.745
  Top Layer w0.279: U3.1@213.081,32.175 214.183,32.175 v4(214.528,31.83) ; v4@214.414,31.83 ccw(c214.138,31.83) 214.333,32.025 ccw(c214.528,32.22) v4@214.528,31.944
  Mid-Layer 2 w0.254: v4(214.528,31.83) 215.218,31.83 215.776,32.388 241.015,32.388 246.748,26.655 v4(248.173,26.655) ; v4@214.618,31.74 cw(c214.835,31.523) 214.835,31.83 cw(c214.835,32.137) v4@214.618,31.92 ; v4@248.083,26.565 ccw(c247.866,26.348) 247.866,26.655 ccw(c247.866,26.962) v4@248.083,26.745
CONFIG_PO1: U3.36 U4.1 | length 11.5
  Top Layer w0.279: U4.1@196.565,32.175 197.267,32.175 v4(197.612,31.83) ; v4@197.498,31.83 ccw(c197.222,31.83) 197.417,32.025 ccw(c197.612,32.22) v4@197.612,31.944 ; v4(204.978,31.877) 205.276,32.175 U3.36@206.025,32.175 ; v4@204.978,31.991 ccw(c204.978,32.267) 205.173,32.072 ccw(c205.368,31.877) v4@205.092,31.877
  Mid-Layer 2 w0.254: v4(197.612,31.83) 204.931,31.83 v4(204.978,31.877) ; v4@197.702,31.74 cw(c197.919,31.523) 197.919,31.83 cw(c197.919,32.137) v4@197.702,31.92 ; 204.558,31.83 ccw(c204.558,32.297) v4@204.888,31.967
CONFIG_PO2: U4.36 U5.1 | length 11.4
  Top Layer w0.279: U5.1@180.055,32.175 180.757,32.175 v4(181.102,31.83) ; v4@180.988,31.83 ccw(c180.712,31.83) 180.907,32.025 ccw(c181.102,32.22) v4@181.102,31.944 ; v4(188.468,31.877) 188.766,32.175 U4.36@189.515,32.175 ; v4@188.468,31.991 ccw(c188.468,32.267) 188.663,32.072 ccw(c188.858,31.877) v4@188.582,31.877
  Mid-Layer 2 w0.254: v4(181.102,31.83) v4@188.421,31.83 ; v4@181.192,31.74 cw(c181.409,31.523) 181.409,31.83 cw(c181.409,32.137) v4@181.192,31.92 ; 188.048,31.83 ccw(c188.048,32.297) v4@188.378,31.967
CONFIG_PO3: U5.36 U6.1 | length 11.4
  Top Layer w0.279: U6.1@163.545,32.175 164.247,32.175 v4(164.592,31.83) ; v4@164.478,31.83 ccw(c164.202,31.83) 164.397,32.025 ccw(c164.592,32.22) v4@164.592,31.944 ; v4(171.958,31.877) 172.256,32.175 U5.36@173.005,32.175 ; v4@171.958,31.991 ccw(c171.958,32.267) 172.153,32.072 ccw(c172.348,31.877) v4@172.072,31.877
  Mid-Layer 2 w0.254: v4(164.592,31.83) v4@171.911,31.83 ; v4@164.682,31.74 cw(c164.899,31.523) 164.899,31.83 cw(c164.899,32.137) v4@164.682,31.92 ; 171.538,31.83 ccw(c171.538,32.297) v4@171.868,31.967
CONFIG_PO4: U6.36 U7.1 | length 11.4
  Top Layer w0.279: U7.1@147.035,32.175 147.737,32.175 v4(148.082,31.83) ; v4@147.968,31.83 ccw(c147.692,31.83) 147.887,32.025 ccw(c148.082,32.22) v4@148.082,31.944 ; v4(155.448,31.877) 155.746,32.175 U6.36@156.495,32.175 ; v4@155.448,31.991 ccw(c155.448,32.267) 155.643,32.072 ccw(c155.838,31.877) v4@155.562,31.877
  Mid-Layer 2 w0.254: v4(148.082,31.83) v4@155.401,31.83 ; v4@148.172,31.74 cw(c148.389,31.523) 148.389,31.83 cw(c148.389,32.137) v4@148.172,31.92 ; 155.028,31.83 ccw(c155.028,32.297) v4@155.358,31.967
CONFIG_PO5: U7.36 U8.1 | length 30.5
  Top Layer w0.279: v4(138.938,31.877) 139.236,32.175 U7.36@139.985,32.175 ; v4@138.938,31.991 ccw(c138.938,32.267) 139.133,32.072 ccw(c139.328,31.877) v4@139.052,31.877 ; v4@138.938,56.956 cw(c138.938,56.68) 139.133,56.875 cw(c139.328,57.07) v4@139.052,57.07 ; v4(138.938,57.07) 139.283,56.725 U8.1@139.985,56.725
  Mid-Layer 2 w0.254: v4@138.811,31.877 ccw(c138.504,31.877) 138.721,32.094 ccw(c138.938,32.311) v4@138.938,32.004 ; v4@138.811,57.07 cw(c138.504,57.07) 138.721,56.853 cw(c138.938,56.636) v4@138.938,56.943 ; v4(138.938,31.877) 138.25,32.565 138.25,38 137.592,38.658 137.592,53.201 138.176,53.785 138.176,56.308 v4(138.938,57.07)
CONFIG_PO6: U8.36 U9.1 | length 11.5
  Top Layer w0.279: U8.36@147.035,56.725 147.784,56.725 v4(148.082,57.023) ; v4@147.968,57.023 cw(c147.692,57.023) 147.887,56.828 cw(c148.082,56.633) v4@148.082,56.909 ; v4@155.448,56.956 cw(c155.448,56.68) 155.643,56.875 cw(c155.838,57.07) v4@155.562,57.07 ; v4(155.448,57.07) 155.793,56.725 U9.1@156.495,56.725
  Mid-Layer 2 w0.254: v4(148.082,57.023) 155.401,57.023 v4(155.448,57.07) ; v4@148.172,56.933 cw(c148.389,56.716) 148.389,57.023 cw(c148.389,57.33) v4@148.172,57.113 ; 155.028,57.023 ccw(c155.028,57.49) v4@155.358,57.16